# Altium PCB BC1-1A-BASIS.PcbDoc (continued)
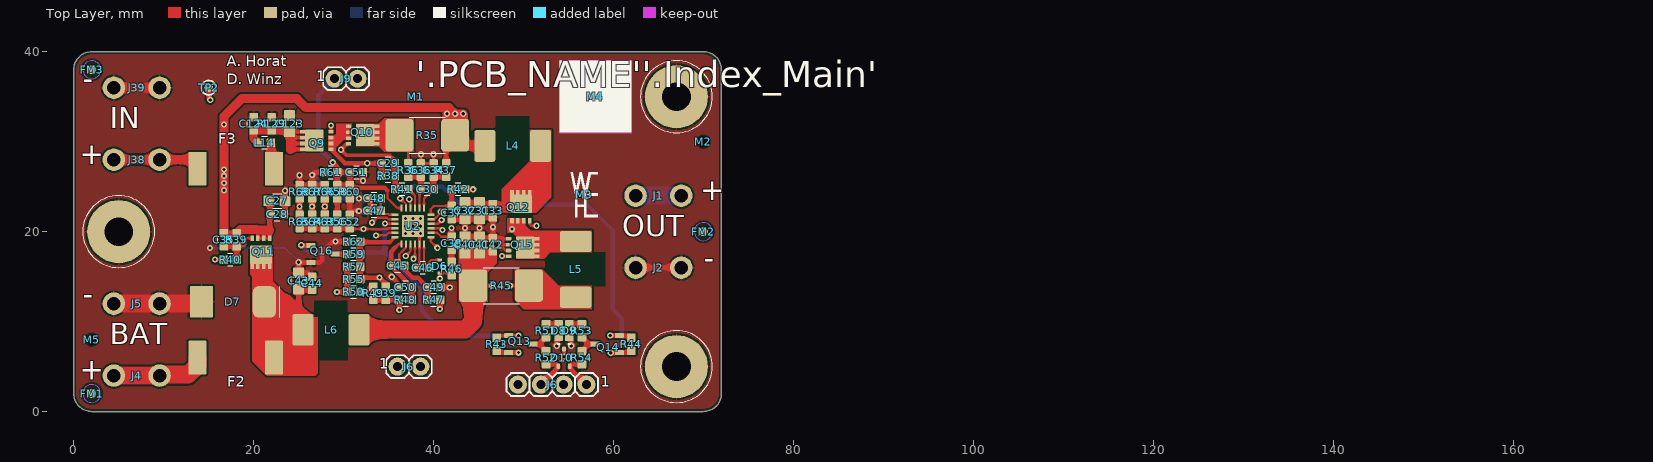
[diagram p0: Top Layer view]
## Footprints (in the part's own frame and the unit in brackets; to place one, negate y for a bottom-side part, rotate by r counter-clockwise, add the part's x,y. Pads: shape width x height; smd on the part's side, far side on the other; paste and mask are expansions set on the pad) (continued)

## Part data
C27 C31 C32 C43 C123: "CAP SM 0805 10uF 50V X5R", Absolute Value=1E-5, JLC Type=Basic, Manufacturer=GENERIC, Manufacturer 1="Murata Electronics", Manufacturer Part Number 1=GRM21BR61H106KE43K, Manufacturer Part Number 3=GRM21BR61H106KE43L, Package=0805, Supplier Part Number 1=490-GRM21BR61H106KE43KCT-ND, Eurocircuits GPN=GPN0805106-50-X5R, HelpURL=https://search.murata.co.jp/Ceramy/image/img/A01X/G101/ENG/GRM21BR61H106KE43-01A.pdf, Part Number=10U/0805/50V/X5R, Supplier 1=Digi-Key, Supplier 3=LCSC, Supplier Part Number 3=C440198
C28 C29 C30 C33 C34 C35 C36 C42 C44 C45 C47 C49 C50 C124: "CAP SM 0603 100nF 50V X7R", Absolute Value=1E-7, JLC Type=Basic, Manufacturer=GENERIC, Manufacturer 1=YAGEO, Manufacturer Part Number 1=CC0603KPX7R9BB104, Manufacturer Part Number 2=CC0603MRX7R9BB104, Package=0603, Supplier Part Number 1=311-3567-1-ND, Eurocircuits GPN=GPC0603104, HelpURL=https://www.yageo.com/upload/media/product/app/datasheet/mlcc/upy-gphc_x7r_6_3v-to-250v.pdf, Manufacturer 2=YAGEO, Part Number=100N/0603/50V/X7R, Supplier 1=Digi-Key, Supplier 2=Digi-Key, Supplier 3=LCSC, Supplier Part Number 2=311-4110-1-ND, Supplier Part Number 3=C14663
C37 C38 C46 C52: "CAP SM 0603 1.0uF 50V X7R", Absolute Value=1E-6, Manufacturer=GENERIC, Manufacturer 1=YAGEO, Manufacturer Part Number 1=CC0603KRX7R9BB105, Package=0603, Supplier Part Number 1=311-2082-1-ND, Eurocircuits GPN=GPC0603105, HelpURL=https://www.yageo.com/upload/media/product/app/datasheet/mlcc/upy-gphc_x7r_6_3v-to-250v.pdf, Part Number=1.0U/0603/50V/X7R, Supplier 1=Digi-Key
C39 C51: "CAP SM 0603 10pF 50V C0G", Absolute Value=1E-11, Manufacturer=GENERIC, Manufacturer 1=YAGEO, Manufacturer Part Number 1=CC0603JRNPO9BN100, Manufacturer Part Number 2=CC0603KRNPO9BN100, Package=0603, Supplier Part Number 1=311-1058-1-ND, Eurocircuits GPN=GPC0603100-C0G, HelpURL=https://www.yageo.com/upload/media/product/productsearch/datasheet/mlcc/UPY-GP_NP0_16V-to-50V_18.pdf, Manufacturer 2=YAGEO, Part Number=10P/0603/50V/C0G, Supplier 1=Digi-Key, Supplier 2=Digi-Key, Supplier Part Number 2=311-4025-1-ND
C40 C41: "CAP SM 0805 22uF 25V X5R", Absolute Value=2.2E-5, JLC Type=Basic, Manufacturer=GENERIC, Manufacturer 1="Samsung Electro-Mechanics", Manufacturer Part Number 1=CL21A226MAYNNNE, Manufacturer Part Number 3=CL21A226MAQNNNE, Package=0805, Supplier Part Number 1=1276-CL21A226MAYNNNECT-ND, Eurocircuits GPN=GPN0805106-25, HelpURL=https://mm.digikey.com/Volume0/opasdata/d220001/medias/docus/339/CL21A226MAYNNNE_Spec.pdf, Part Number=22U/0805/25V/X5R, Supplier 1=Digi-Key, Supplier 3=LCSC, Supplier Part Number 3=C45783
C48: "CAP SM 0603 10nF 50V C0G", Absolute Value=1E-8, Manufacturer=GENERIC, Manufacturer 1=YAGEO, Manufacturer Part Number 1=CC0603JRNPO9BN103, Package=0603, Supplier Part Number 1=311-3960-1-ND, Eurocircuits GPN=GPC0603103-C0G, HelpURL=https://www.yageo.com/upload/media/product/productsearch/datasheet/mlcc/UPY-GP_NP0_16V-to-50V_18.pdf, Part Number=10N/0603/50V/C0G, Supplier 1=Digi-Key
D6: "Small Signal Schottky Diode", Absolute Value=70V, JLC Type=Extended, Manufacturer=Vishay, Manufacturer 1="Vishay General Semiconductor - Diodes Division", Manufacturer 3="Vishay Intertech", Package=SOD523, Supplier Part Number 1=112-BAS70-02V-G3-08CT-ND, HelpURL=https://www.vishay.com/docs/85652/bas70-02v.pdf, Manufacturer Part Number 1=BAS70-02V-G3-08, Manufacturer Part Number 3=BAS70-02V-G3-08, Part Number=BAS70-02V-G3-08, Supplier 1=Digikey, Supplier 3=LCSC, Supplier Part Number 3=C3313114
D7: "TVS DIODE 15VWM 24.4V DO214 TR13", Absolute Value=15V, Manufacturer="Littelfuse Inc.", Manufacturer Part Number 1=5.0SMDJ15CAS, Package="DO-214AB, SMC", Supplier Part Number 1=18-5.0SMDJ15CASCT-ND, HelpURL=https://m.littelfuse.com/~/media/electronics/datasheets/tvs_diodes/littelfuse_tvs_diode_5_0smdjxxs_datasheet.pdf.pdf, Manufacturer 1="Littelfuse Inc.", Manufacturer 2="Littelfuse Inc.", Manufacturer Part Number 2=5.0SMDJ15CA, Part Number=5.0SMDJ15CA, Supplier 1=Digikey, Supplier 2=Digikey, Supplier Part Number 2=5.0SMDJ15CACT-ND
D8: library part "LED Green 0603", "Generic LED Green 0603", Absolute Value=Green, JLC Type=Basic, Manufacturer=GENERIC, Manufacturer 1=Würth, Manufacturer 3="Everlight Elec", Manufacturer Part Number 1=150060VS75000, Manufacturer Part Number 3=19-217/GHC-YR1S2/3T, Package=603, Supplier Part Number 1=732-4980-1-ND, HelpURL=https://www.we-online.com/katalog/datasheet/150060VS75000.pdf, Part Number="LED Green 0603", Supplier 1=Digikey, Supplier 3=LCSC, Supplier Part Number 3=C72043
D9: library part "LED Red 0603", "Generic LED Red 0603", Absolute Value=Red, JLC Type=Basic, Manufacturer=GENERIC, Manufacturer 1=Würth, Manufacturer 3="Hubei KENTO Elec", Manufacturer Part Number 1=150060RS75000, Manufacturer Part Number 3=KT-0603R, Package=603, Supplier Part Number 1=732-4978-1-ND, HelpURL=https://www.we-online.com/katalog/datasheet/150060RS75000.pdf, Part Number="LED Red 0603", Supplier 1=Digikey, Supplier 3=LCSC, Supplier Part Number 3=C2286
D10: "CAN bus ESD protection diode", Absolute Value=24V, Manufacturer="Nexperia USA Inc.", Manufacturer 3=Nexperia, Package=SOT323, Supplier Part Number 1=1727-1306-1-ND, HelpURL=https://assets.nexperia.com/documents/data-sheet/PESD1CAN-U.pdf, Manufacturer 1="Nexperia USA Inc.", Manufacturer Part Number 1=PESD1CAN-UX, Manufacturer Part Number 3=PESD1CAN-UX, Part Number=PESD1CAN-UX, Supplier 1=Digikey, Supplier 3=LCSC, Supplier Part Number 3=C152727
F2: "Fuse 250VAC 6.3A UMT250", Absolute Value=6.3, Manufacturer=Schurter, Manufacturer Part Number 1=3403.0174.24, Package=UMT250, Supplier Part Number 1=486-3484-1-ND, HelpURL=https://www.schurter.com/en/datasheet/typ_UMT_250.pdf, Manufacturer 1=Schurter, Part Number=6.3A/UMT250/FUSE, Supplier 1=Digi-Key
F3: "Fuse 250VAC 3.15A UMT250", Absolute Value=3.15, Manufacturer=Schurter, Manufacturer Part Number 1=3403.0171.24, Package=UMT250, Supplier Part Number 1=486-3482-1-ND, HelpURL=https://www.schurter.com/en/datasheet/typ_UMT_250.pdf, Manufacturer 1=Schurter, Part Number=3.15A/UMT250/FUSE, Supplier 1=Digi-Key
FM1 FM2 FM3 FM4 FM5 FM6: "Fiducial 1mm", Manufacturer=NONE, Part Number=Fidu_1mm
J1 J2 J4 J5 J38 J39: library part Tab_025_THT, "CONN QC TAB 0.250 SOLDER", Manufacturer=GENERIC, Manufacturer 1="TE Connectivity AMP Connectors", Manufacturer 3="TE Connectivity", Manufacturer Part Number 1=1217861-1, Supplier Part Number 1=A100452CT-ND, HelpURL=https://www.te.com/usa-en/product-1217861-1.datasheet.pdf, Manufacturer Part Number 3=1217861-1, Part Number=Tab_025_THT, Supplier 1=Digi-Key, Supplier 3=LCSC, Supplier Part Number 3=C428480
J6 J9: "Header 100 mil 1x2", Manufacturer=GENERIC, Part Number=Header_1x2
J6: "Header 100 mil 1x4", Manufacturer=GENERIC, Part Number=Header_1x4
L4 L6: "FIXED IND 470NH 16.5 A 5.5 MOHM SMD", Absolute Value=4.7E-7, Manufacturer=GENERIC, Manufacturer 1="Pulse Electronics", Manufacturer Part Number 1=BMRA00060630R47MA1, Package=6030, Supplier Part Number 1=553-BMRA00060630R47MA1CT-ND, HelpURL=https://productfinder.pulseelectronics.com/api/open/part-attachments/datasheet/BMRA00060630R47MA1, Part Number=470NH/6630, Supplier 1=Digi-Key
L5: "FIXED IND 22UH     3 A 145 MOHM SMD", Absolute Value=2.2E-5, Manufacturer=GENERIC, Manufacturer 1="Pulse Electronics", Manufacturer Part Number 1=BMRA00060630220MA1, Package=6030, Supplier Part Number 1=553-BMRA00060630220MA1CT-ND, HelpURL=https://productfinder.pulseelectronics.com/api/open/part-attachments/datasheet/BMRA00060630220MA1, Part Number=22UH/6630, Supplier 1=Digi-Key
L14: "30R@100MHz 5A 0603 Ferrite", Absolute Value=1000, Manufacturer=GENERIC, Manufacturer 1="Laird-Signal Integrity Products", Manufacturer Part Number 1=HI0603R300R-10, Package=603, Supplier Part Number 1=240-HI0603R300R-10CT-ND, HelpURL=https://www.laird.com/document/datasheet/hi0603r300r-10-datasheet, Part Number=30R/0603/FERRITE, Supplier 1=Digi-Key
M1: library part "PCB NAME 5mm L", "PCB name, 5mm text height, left-aligned", Manufacturer=NONE, Part Number="PCB NAME 5mm L"
M2 M5: "Tooling hole for JLC (1.152mm)", Manufacturer=NONE, Part Number="Tooling JLC"
M3: library part "LOGO WHE 5MM", "WHE logo, size 5mm", Manufacturer=NONE, Part Number="LOGO WHE 5MM"
M4: library part "SERIAL 2D 8MM RESTRICT", "2D Serial number placeholder, Dotmatrix or QR, size: 8mm, restriction on top layer", Manufacturer=NONE, Part Number="SERIAL 2D 8MM RESTRICT"
Q9 Q10 Q11: "40V 35A P-Channel MOSFET", Manufacturer="Micro Commercial Co", Manufacturer Part Number 1=353-MCG35P04-TPCT-ND, Package=8-PowerVDFN, HelpURL=https://www.mccsemi.com/pdf/Products/MCG35P04(DFN3333).pdf, Manufacturer 1="Micro Commercial Co", Part Number=MCG35P04-TP, Supplier 1=Digi-Key, Supplier Part Number 1=353-MCG35P04-TPCT-ND
Q12 Q15: "N-Kanal 100 V 35 A (Tc) 52W (Tc) Oberflächenmontage 8-PPAK (3,1x3,05)", Manufacturer="Good-Ark Semiconductor", Package=8-PowerVDFN, Supplier Part Number 1=4786-GSFN1036CT-ND, HelpURL=https://goodarksemi.com/docs/datasheets/mosfets/GSFN1036.pdf, Manufacturer 1="Good-Ark Semiconductor", Manufacturer Part Number 1=GSFN1036, Part Number=GSFN1036, Supplier 1=Digi-Key
Q13 Q14: "50V P-Channel MOSFET", JLC Type=Extended, Manufacturer=GENERIC, Manufacturer 1="Good-Ark Semiconductor", Manufacturer 3="Jiangsu Changjing Electronics Technology Co., Ltd.", Package=SOT23, Supplier Part Number 1=4786-BSS84CT-ND, HelpURL=https://goodarksemi.com/docs/datasheets/mosfets/BSS84.pdf, Manufacturer Part Number 1=BSS84, Manufacturer Part Number 3=BSS84, Part Number=BSS84, Supplier 1=Digi-Key, Supplier 3=LCSC, Supplier Part Number 3=C114481
Q16: "60V 115mA 1.2Ω@10V,500mA 200mW 2.1V@250uA N Channel SOT-23 MOSFETs", JLC Type=Extended, Manufacturer=GENERIC, Manufacturer 1="Nexperia USA Inc.", Manufacturer 3=JSMSEMI, Manufacturer Part Number 1=2N7002NXAKR, Package=SOT23, Supplier Part Number 1=1727-8643-1-ND, HelpURL=https://assets.nexperia.com/documents/data-sheet/2N7002NXAK.pdf, Manufacturer Part Number 3=JSMSEMI, Part Number=2N7002, Supplier 1=Digi-Key, Supplier 3=LCSC, Supplier Part Number 3=C916396
R35 R45: "RES SM 2512 0R025", Absolute Value=0.025, Manufacturer=GENERIC, Manufacturer 1=Ohmite, Manufacturer Part Number 1=MCS3264R025FER, Package=2512, Supplier Part Number 1=MCS3264R025FERCT-ND, HelpURL=https://www.ohmite.com/assets/docs/res_mcs.pdf?r=false, Part Number=0R025/2512, Supplier 1=Digi-Key
R36 R37 R47 R48 R52 R54: "RES SM 0603 0R", Absolute Value=0, JLC Type=Basic, Manufacturer=GENERIC, Manufacturer 1=YAGEO, Manufacturer 3="UNI-ROYAL(Uniroyal Elec)", Manufacturer Part Number 1=RC0603FR-070RL, Manufacturer Part Number 2=RC0603FR-130RL, Manufacturer Part Number 3=0603WAF0000T5E, Package=0603, Supplier Part Number 1=311-0.0HRCT-ND, Eurocircuits GPN=GPR06030R, HelpURL=https://www.yageo.com/upload/media/product/app/datasheet/rchip/pyu-rc_group_51_rohs_l.pdf, Manufacturer 2=YAGEO, Part Number=0R/0603, Supplier 1=Digi-Key, Supplier 2=Digi-Key, Supplier 3=LCSC, Supplier Part Number 2=13-RC0603FR-130RLCT-ND, Supplier Part Number 3=C21189
R38 R39 R43 R44: "RES SM 0603 100K", Absolute Value=100000, JLC Type=Basic, Manufacturer=GENERIC, Manufacturer 1=YAGEO, Manufacturer 3="UNI-ROYAL(Uniroyal Elec)", Manufacturer Part Number 1=RC0603FR-13100KL, Manufacturer Part Number 2=RC0603FR-10100KL, Manufacturer Part Number 3=0603WAF1003T5E, Package=0603, Supplier Part Number 1=13-RC0603FR-13100KLCT-ND, Eurocircuits GPN=GPR0603100K, HelpURL=https://www.yageo.com/upload/media/product/productsearch/datasheet/rchip/PYu-RC_Group_51_RoHS_L_12.pdf, Manufacturer 2=YAGEO, Part Number=100K/0603, Supplier 1=Digi-Key, Supplier 2=Digi-Key, Supplier 3=LCSC, Supplier Part Number 2=13-RC0603FR-10100KLCT-ND, Supplier Part Number 3=C25803
R40 R41: "RES SM 0603 1K", Absolute Value=1000, JLC Type=Basic, Manufacturer=GENERIC, Manufacturer 1=YAGEO, Manufacturer 3="UNI-ROYAL(Uniroyal Elec)", Manufacturer Part Number 1=RC0603FR-131KL, Manufacturer Part Number 2=RC0603FR-101KL, Manufacturer Part Number 3=0603WAF1001T5E, Package=0603, Supplier Part Number 1=13-RC0603FR-131KLCT-ND, Eurocircuits GPN=GPR06031K, HelpURL=https://www.yageo.com/upload/media/product/app/datasheet/rchip/pyu-rc_group_51_rohs_l.pdf, Manufacturer 2=YAGEO, Part Number=1K/0603, Supplier 1=Digi-Key, Supplier 2=Digi-Key, Supplier 3=LCSC, Supplier Part Number 2=13-RC0603FR-101KLCT-ND, Supplier Part Number 3=C21190
R42 R46: "RES SM 0603 10R", Absolute Value=10, Manufacturer=GENERIC, Manufacturer 1=YAGEO, Manufacturer Part Number 1=RC0603FR-1310RL, Manufacturer Part Number 2=RC0603FR-1010RL, Package=0603, Supplier Part Number 1=13-RC0603FR-1310RLCT-ND, Eurocircuits GPN=GPR060310R, HelpURL=https://www.yageo.com/upload/media/product/app/datasheet/rchip/pyu-rc_group_51_rohs_l.pdf, Manufacturer 2=YAGEO, Part Number=10R/0603, Supplier 1=Digi-Key, Supplier 2=Digi-Key, Supplier Part Number 2=13-RC0603FR-1010RLCT-ND
R49: "RES SM 0603 51K", Absolute Value=51000, JLC Type=Basic, Manufacturer=GENERIC, Manufacturer 1=YAGEO, Manufacturer Part Number 1=RC0603FR-1351KL, Manufacturer Part Number 2=RC0603FR-1051KL, Package=0603, Supplier Part Number 1=13-RC0603FR-1351KLCT-ND, Eurocircuits GPN=GPR060351K, HelpURL=https://www.yageo.com/upload/media/product/app/datasheet/rchip/pyu-rc_group_51_rohs_l.pdf, Manufacturer 2=YAGEO, Part Number=51K/0603, Supplier 1=Digi-Key, Supplier 2=Digi-Key, Supplier 3=LCSC, Supplier Part Number 2=13-RC0603FR-1051KLCT-ND, Supplier Part Number 3=C2933234
R50: "RES SM 0603 680K", Absolute Value=680000, Manufacturer=GENERIC, Manufacturer 1=YAGEO, Manufacturer Part Number 1=RC0603FR-13680KL, Manufacturer Part Number 2=RC0603FR-07680KL, Package=0603, Supplier Part Number 1=13-RC0603FR-13680KLCT-ND, Eurocircuits GPN=GPR0603680K, HelpURL=https://www.yageo.com/upload/media/product/app/datasheet/rchip/pyu-rc_group_51_rohs_l.pdf, Manufacturer 2=YAGEO, Part Number=680K/0603, Supplier 1=Digi-Key, Supplier 2=Digi-Key, Supplier Part Number 2=311-680KHRCT-ND
R51 R53 R67: "RES SM 0603 2K2", Absolute Value=2200, Manufacturer=GENERIC, Manufacturer 1=YAGEO, Manufacturer Part Number 1=RC0603FR-132K2L, Manufacturer Part Number 2=RC0603FR-102K2L, Manufacturer Part Number 3=RC0603JR-072K2L, Package=0603, Supplier Part Number 1=13-RC0603FR-132K2LCT-ND, Eurocircuits GPN=GPR06032K2, HelpURL=https://www.yageo.com/upload/media/product/app/datasheet/rchip/pyu-rc_group_51_rohs_l.pdf, Manufacturer 2=YAGEO, Manufacturer 3=YAGEO, Part Number=2K2/0603, Supplier 1=Digi-Key, Supplier 2=Digi-Key, Supplier 3=LCSC, Supplier Part Number 2=13-RC0603FR-102K2LCT-ND, Supplier Part Number 3=C113303
R55 R60: "RES NTC SM 0603 100k 4700K", Absolute Value=100000, Manufacturer=GENERIC, Manufacturer 1="Panasonic Electronic Components", Manufacturer Part Number 1=ERT-J1VV104F, Package=0603, Supplier Part Number 1=P124047CT-ND, HelpURL=https://industrial.panasonic.com/cdbs/www-data/pdf/AUA0000/AUA0000C8.pdf, Part Number=100K/0603/NTC/4700K, Supplier 1=Digi-Key
R56: "RES SM 0603 47K", Absolute Value=47000, JLC Type=Basic, Manufacturer=GENERIC, Manufacturer 1=YAGEO, Manufacturer 3="UNI-ROYAL(Uniroyal Elec)", Manufacturer Part Number 1=RC0603FR-1347KL, Manufacturer Part Number 2=RC0603FR-1047KL, Manufacturer Part Number 3=0603WAF4702T5E, Package=0603, Supplier Part Number 1=13-RC0603FR-1347KLCT-ND, Eurocircuits GPN=GPR060347K, HelpURL=https://www.yageo.com/upload/media/product/app/datasheet/rchip/pyu-rc_group_51_rohs_l.pdf, Manufacturer 2=YAGEO, Part Number=47K/0603, Supplier 1=Digi-Key, Supplier 2=Digi-Key, Supplier 3=LCSC, Supplier Part Number 2=13-RC0603FR-1047KLCT-ND, Supplier Part Number 3=C25819
R57: "RES SM 0603 110K", Absolute Value=110000, Manufacturer=GENERIC, Manufacturer 1=YAGEO, Manufacturer Part Number 1=RC0603FR-13110KL, Manufacturer Part Number 2=RC0603FR-07110KL, Package=0603, Supplier Part Number 1=13-RC0603FR-13110KLCT-ND, Eurocircuits GPN=GPR0603110K, HelpURL=https://www.yageo.com/upload/media/product/productsearch/datasheet/rchip/PYu-RC_Group_51_RoHS_L_12.pdf, Manufacturer 2=YAGEO, Part Number=110K/0603, Supplier 1=Digi-Key, Supplier 2=Digi-Key, Supplier Part Number 2=311-110KHRCT-ND
R58: "RES SM 0603 20K", Absolute Value=20000, Manufacturer=GENERIC, Manufacturer 1=YAGEO, Manufacturer Part Number 1=RC0603FR-1320KL, Manufacturer Part Number 2=RC0603FR-1020KL, Package=0603, Supplier Part Number 1=13-RC0603FR-1320KLCT-ND, Eurocircuits GPN=GPR060320K, HelpURL=https://www.yageo.com/upload/media/product/app/datasheet/rchip/pyu-rc_group_51_rohs_l.pdf, Manufacturer 2=YAGEO, Part Number=20K/0603, Supplier 1=Digi-Key, Supplier 2=Digi-Key, Supplier Part Number 2=13-RC0603FR-1020KLCT-ND
R59: "RES SM 0603 3M3", Absolute Value=3300000, Manufacturer=GENERIC, Manufacturer 1=YAGEO, Manufacturer Part Number 1=RC0603FR-073M3L, Package=0603, Supplier Part Number 1=13-RC0603FR-073M3LCT-ND, Eurocircuits GPN=GPR06033M3, HelpURL=https://www.yageo.com/upload/media/product/app/datasheet/rchip/pyu-rc_group_51_rohs_l.pdf, Part Number=3M3/0603, Supplier 1=Digi-Key
R61 R62: "RES SM 0603 150K", Absolute Value=150000, JLC Type=Basic, Manufacturer=GENERIC, Manufacturer 1=YAGEO, Manufacturer 3="UNI-ROYAL(Uniroyal Elec)", Manufacturer Part Number 1=RC0603FR-13150KL, Manufacturer Part Number 2=RC0603FR-10150KL, Manufacturer Part Number 3=0603WAF1503T5E, Package=0603, Supplier Part Number 1=13-RC0603FR-13150KLCT-ND, Eurocircuits GPN=GPR0603150K, HelpURL=https://www.yageo.com/upload/media/product/app/datasheet/rchip/pyu-rc_group_51_rohs_l.pdf, Manufacturer 2=YAGEO, Part Number=150K/0603, Supplier 1=Digi-Key, Supplier 2=Digi-Key, Supplier 3=LCSC, Supplier Part Number 2=13-RC0603FR-10150KLCT-ND, Supplier Part Number 3=C22807
R63: "RES SM 0603 75K", Absolute Value=75000, JLC Type=Basic, Manufacturer=GENERIC, Manufacturer 1=YAGEO, Manufacturer Part Number 1=RC0603FR-1375KL, Manufacturer Part Number 2=RC0603FR-1075KL, Manufacturer Part Number 3=RC0603FR-0775KL, Package=0603, Supplier Part Number 1=13-RC0603FR-1375KLCT-ND, Eurocircuits GPN=GPR060375K, HelpURL=https://www.yageo.com/upload/media/product/app/datasheet/rchip/pyu-rc_group_51_rohs_l.pdf, Manufacturer 2=YAGEO, Manufacturer 3=YAGEO, Part Number=75K/0603, Supplier 1=Digi-Key, Supplier 2=Digi-Key, Supplier 3=LCSC, Supplier Part Number 2=13-RC0603FR-1075KLCT-ND, Supplier Part Number 3=C114636
R64: "RES SM 0603 16K", Absolute Value=16000, Manufacturer=GENERIC, Manufacturer 1=YAGEO, Manufacturer Part Number 1=RC0603FR-1316KL, Manufacturer Part Number 2=RC0603FR-1016KL, Package=0603, Supplier Part Number 1=13-RC0603FR-1316KLCT-ND, Eurocircuits GPN=GPR060316K, HelpURL=https://www.yageo.com/upload/media/product/productsearch/datasheet/rchip/PYu-RC_Group_51_RoHS_L_12.pdf, Manufacturer 2=YAGEO, Part Number=16K/0603, Supplier 1=Digi-Key, Supplier 2=Digi-Key, Supplier Part Number 2=13-RC0603FR-1016KLCT-ND
R65: "RES SM 0603 62K", Absolute Value=62000, Manufacturer=GENERIC, Manufacturer 1=YAGEO, Manufacturer Part Number 1=RC0603FR-1362KL, Manufacturer Part Number 2=RC0603FR-1062KL, Package=0603, Supplier Part Number 1=13-RC0603FR-1362KLCT-ND, Eurocircuits GPN=GPR060362K, HelpURL=https://www.yageo.com/upload/media/product/productsearch/datasheet/rchip/PYu-RC_Group_51_RoHS_L_12.pdf, Manufacturer 2=YAGEO, Part Number=62K/0603, Supplier 1=Digi-Key, Supplier 2=Digi-Key, Supplier Part Number 2=13-RC0603FR-1062KLCT-ND
R66: "RES SM 0603 24K", Absolute Value=24000, Manufacturer=GENERIC, Manufacturer 1=YAGEO, Manufacturer Part Number 1=RC0603FR-1324KL, Manufacturer Part Number 2=RC0603FR-1024KL, Package=0603, Supplier Part Number 1=13-RC0603FR-1324KLCT-ND, Eurocircuits GPN=GPR060324K, HelpURL=https://www.yageo.com/upload/media/product/app/datasheet/rchip/pyu-rc_group_51_rohs_l.pdf, Manufacturer 2=YAGEO, Part Number=24K/0603, Supplier 1=Digi-Key, Supplier 2=Digi-Key, Supplier Part Number 2=13-RC0603FR-1024KLCT-ND
R68: "RES SM 0603 27K", Absolute Value=27000, Manufacturer=GENERIC, Manufacturer 1=YAGEO, Manufacturer Part Number 1=RC0603FR-1327KL, Manufacturer Part Number 2=RC0603FR-1027KL, Manufacturer Part Number 3=RC0603FR-0727KL, Package=0603, Supplier Part Number 1=13-RC0603FR-1327KLCT-ND, Eurocircuits GPN=GPR060327K, HelpURL=https://www.yageo.com/upload/media/product/app/datasheet/rchip/pyu-rc_group_51_rohs_l.pdf, Manufacturer 2=YAGEO, Manufacturer 3=YAGEO, Part Number=27K/0603, Supplier 1=Digi-Key, Supplier 2=Digi-Key, Supplier 3=LCSC, Supplier Part Number 2=13-RC0603FR-1027KLCT-ND, Supplier Part Number 3=C114614
R129: "RES SM 0603 1M", Absolute Value=1000000, JLC Type=Basic, Manufacturer=GENERIC, Manufacturer 1=YAGEO, Manufacturer 3="UNI-ROYAL(Uniroyal Elec)", Manufacturer Part Number 1=RC0603FR-131ML, Manufacturer Part Number 2=RC0603FR-101ML, Manufacturer Part Number 3=0603WAF1004T5E, Package=0603, Supplier Part Number 1=13-RC0603FR-131MLCT-ND, Eurocircuits GPN=GPR06031M, HelpURL=https://www.yageo.com/upload/media/product/app/datasheet/rchip/pyu-rc_group_51_rohs_l.pdf, Manufacturer 2=YAGEO, Part Number=1M/0603, Supplier 1=Digi-Key, Supplier 2=Digi-Key, Supplier 3=C22935, Supplier Part Number 2=13-RC0603FR-101MLCT-ND, Supplier Part Number 3=LCSC
TP2: "SMD Test Point 1mm", Manufacturer=NONE, Part Number=TP_SMD_1
U2: "BQ2461x Stand-Alone 1- to 6-Cell Synchronous Buck Battery Charger Controller", Manufacturer="Texas Instruments", Manufacturer Part Number 1=BQ24610RGER, Package=QFN-24, Supplier Part Number 1=296-29437-1-ND, HelpURL=https://www.ti.com/lit/ds/symlink/bq24610.pdf, Manufacturer 1="Texas Instruments", Manufacturer 3="Texas Instruments", Manufacturer Part Number 3=BQ24610RGER, Part Number=BQ24610, Supplier 1=Digi-Key, Supplier 3=LCSC, Supplier Part Number 3=C19384

## Free pads (board coordinates)
  round 7 hole 3.2: 3(5,20) 3(67,5) 3(67,35)

## Via types
v1: diameter 0.7, hole 0.35, Top Layer to Bottom Layer, tented both sides, 65 vias
v2: diameter 0.7, hole 0.35, Top Layer to Bottom Layer, 9 vias

## Nets (pads, with @x,y where several pads share a name; then routed paths per layer and width w, separated by ;. In a path a pad name is that pad's centre, name@x,y a point inside that pad or via, vN(x,y) a via of type N, cw(c..) or ccw(c..) an arc to the next point about the centre after c; other vN are vias at no path point)
+3V3_CHG_VREF: C52.1 R56.1 R63.1 R64.1 R65.1 U2.4 U2.10 | length 18.4
  Top Layer w0.25: C52.1 30.802,20.3 33.028,20.3 33.051,20.277 34.34,20.277 34.342,20.275 34.86,20.275 34.962,20.377 U2.10 ; v1(37.301,23.6) 37.45,23.451 U2.4
  Top Layer w0.5: R65.1 R64.1 R63.1 R56.1 C52.1
  Mid 2 (PWR) w0.25: v1(32.201,20.3) 32.276,20.375 33.126,20.375 33.41,20.375 33.776,20.741 33.776,21.025 34.651,21.9 35.601,21.9 v1(37.301,23.6)
ACSET: R65.2 R68.1 U2.16 | length 18.9
  Top Layer w0.25: v1(37.761,16.975) 37.761,17 37.801,17 37.95,17.149 U2.16
  Top Layer w0.5: R65.2 v1(25.101,22.8) R68.1
  Mid 2 (PWR) w0.25: v1(25.101,22.8) 25.901,22 27.134,22 31.234,17.9 35.417,17.9 36.642,16.675 37.16,16.675 37.385,16.9 37.564,16.9 37.639,16.975 v1(37.761,16.975)
BAT+: F2.2 J4.1 | length 15.8
  Top Layer w2: J4.1@4.46,4 J4.1@9.675,4 ; J4.1@9.54,4 J4.1@9.675,4 ; F2.2 13.75,5.125 12.721,4.096 9.771,4.096 J4.1@9.675,4
  Bottom Layer w2: J4.1@4.46,4 J4.1@9.54,4
GND_BAT: C27.2 C28.2 C31.2 C32.2 C33.2 C34.2 C36.2 C37.1 C40.2 C41.2 C42.2 C43.2 C44.2 C46.1 C47.2 C48.2 C49.2 C50.2 C51.2 C52.2 C123.2 C124.2 D7.2 D8.1 D9.1 D10.3 J2.1 J5.1 J6.2@54.46,3 J6.4 J9.2 J39.1 pad.3 Q15.1@48.34,19.202 Q15.2 Q15.3 Q16.2 R60.2 R61.2 R62.2 R66.2 R67.2 R68.2 R129.2 U2.17 U2.EP | length 196.4
  Top Layer w0.25: U2.EP 38.45,19.877 38.45,16.374 C46.1 ; v1@38.6,28.599 C36.2 C34.2 v1@40,28.599
  Top Layer w0.3: 47.6,19.252 47.6,19.202 ; Q15.3 47.998,17.902 47.6,18.3 47.6,18.552 ; Q15.2 47.6,18.552 ; Q15.1@48.34,19.202 47.6,19.202 ; 47.6,18.552 47.6,19.202
  Top Layer w0.4: v1(54.5,6.1) D10.3
  Top Layer w0.5: C28.2 23.5,22.102 v1(23.499,24.55) ; v1@25.101,26.274 R68.2 R67.2@26.476,25.152 ; C44.2 26.05,15.427 C43.2 v1(25,16.6) 25.023,16.577 Q16.2 27.378,16.577 27.601,16.8 27.601,17.7 28.801,18.9 v1(29.101,18.9) R62.2 ; R67.2 v1@26.501,26.299 ; v1(26.5,26.3) 26.8,26.6 R61.2 ; R67.2@26.526,25.152 R66.2 ; R60.2 C52.2 31.148,22.3 v1(31.7,22.3) C47.2 33,22.624 33,23.376 C48.2 v1(31.701,23.7) ; v1(32.15,25.65) C51.2 ; v1(35.35,14.975) 36.15,14.175 C50.2 ; C49.2 41.773,13.827 v1(41.8,13.8) ; C37.1 C32.2@43.5,21.402 ; C31.2 45.275,21.602 C33.2 v1(46.6,20.5) C42.2 ; 47.6,19.252 C42.2 ; v1(53.7,7.3) 53.7,8.038 D8.1 ; D9.1 55.3,8.038 v1(55.3,7.3) ; J2.1@62.189,16.271 J2.1@62.46,16 ; J2.1@62.192,15.732 J2.1@62.46,16 ; J2.1@67.54,16 J2.1@62.46,16 ; C32.2@43.5,21.402 45.1,21.402 C41.2 ; C32.2@43.5,21.402 C40.2 C41.2 ; C41.2 45.275,19.252 C42.2
  Top Layer w1: J39.1@4.433,36.027 4.46,36 J39.1@9.54,36
  Top Layer w2: J5.1@4.46,12 9.54,12 14,12 D7.2
  Mid 1 (GND) w0.25: v1(15.152,18.175) 15.227,18.1 15.877,18.1 16.002,17.975 23.726,17.975 ; 19.25,33 19.25,28.799 v1(23.499,24.55) 22.4,23.449 22.4,19.301 23.726,17.975 ; v1(26.5,26.3) 27.7,26.3 v1(31.7,22.3) ; v1(31.7,22.3) v1(31.701,23.7) 31.701,25.201 v1(32.15,25.65) ; v1(35.35,14.975) 35.225,14.975 35.2,15 35.2,18.099 v2(36.9,19.8) ; v2@37.701,21.4 v2@37.701,21.358 ; v1@38.501,28.6 v2@38.501,21.4 ; v1@38.601,28.7 38.701,28.6 v1(40.001,28.6) ; v1(41.8,13.8) 41.8,15.6 38.501,18.899 v2@38.501,19.8 ; v1(46.6,20.5) 43.385,20.5 41.06,22.825 40.542,22.825 40.517,22.8 39.901,22.8 v2@38.501,21.4 ; 23.726,17.975 25,16.701 v1(25,16.6) 27.3,18.9 v1(29.101,18.9) 29.101,19.701 v1(31.7,22.3) ; v1(31.7,22.3) 36.001,22.3 v2@36.943,21.358 ; v2(36.9,19.8) v2(36.9,20.6) ; v2(36.9,19.8) v2(37.701,19.8) ; v2(36.9,20.6) v2(37.701,20.6) ; v2(36.9,20.6) 36.901,21.316 v2@36.943,21.358 ; v2@36.943,21.358 v2@37.701,21.358 ; v2(37.701,19.8) v2(37.701,20.6) ; v2(37.701,19.8) v2@38.501,19.8 ; v2(37.701,20.6) v2@38.501,20.6 ; v2(37.701,20.6) v2@37.701,21.358 ; v2@37.701,21.358 38.459,21.358 v2@38.501,21.4 ; v2@38.501,19.8 v2@38.501,20.6 ; v2@38.501,20.6 v2@38.501,21.4
  Mid 1 (GND) w2: J2.1@62.46,16 J2.1@67.54,16
  Bottom Layer w0.25: v1(15.152,18.175) 23.526,18.175 25,16.701 v1(25,16.6)
  Bottom Layer w0.5: v1(26.5,26.3) 29.1,23.7 v1(31.701,23.7)
  other v1: 43.5,20.414 45.1,20.415 25.1,26.275 38.601,28.6
  other v2: 38.55,19.8 38.55,20.6 36.9,21.45 37.701,21.45 38.55,21.45
ISET1: R63.2 R66.1 U2.11 | length 11.1
  Top Layer w0.25: v1(33.601,19.574) 33.614,19.587 34.738,19.587 35.028,19.877 U2.11
  Top Layer w0.5: R63.2 v1(27.901,22.8) R66.1
  Mid 2 (PWR) w0.25: v1(27.901,22.8) 28.8,22.8 32.026,19.574 v1(33.601,19.574)
ISET2: R64.2 R67.1 U2.15 | length 16.1
  Top Layer w0.25: v1(36.901,17.3) 37.45,17.849 U2.15
  Top Layer w0.5: R64.2 v1(26.501,22.8) R67.1
  Mid 2 (PWR) w0.25: v1(26.501,22.8) 26.9,22.8 31.3,18.4 35.801,18.4 v1(36.901,17.3)
LED_GREEN: D10.1@53.85,5.05 J6.3 R52.2 | length 4.3
  Top Layer w0.5: J6.3 53.85,4.93 53.85,5.05 53.625,5.275 R52.2
LED_RED: D10.2 J6.1@57,3 R54.2 | length 4.3
  Top Layer w0.5: R54.2 55.375,5.275 D10.2 55.15,4.85 J6.1@57,3
NetC27_1: C27.1 C28.1 C35.1 J1.1 L4.1 Q11.1@21.775,19.287 Q11.2 Q11.3 R35.2 R37.1 R39.1 | length 133.5
  Top Layer w0.25: R39.1@18.513,19.825 R39.1 18.513,20.237 19.104,20.237 ; 19.43,20.151 20.475,20.151 ; Q11.3 Q11.2 Q11.1@21.775,19.287
  Top Layer w0.4: Q11.3 20.475,20.151 ; Q11.2 21.125,20.175 ; Q11.1@21.775,19.287 21.775,20.175
  Top Layer w0.5: C35.1 R39.1 ; C27.1 21.788,23.34 21.788,22.015 C28.1 21.775,21.827 21.775,20.175 ; R37.1 41.4,29.727 R35.2
  Top Layer w1: v1(16.7,26.9) v1(16.7,31.9) 16.7,32.8 18.7,34.8 24.8,34.8 25.8,33.8 41.7,33.8 v1(42.4,33.1) ; C35.1 v1@16.701,26.9 ; R39.1 18.513,20.237 19.104,20.237 20.283,20.237 ; 20.421,20.175 21.125,20.175 21.775,20.175 ; L4.1 43.6,29.527 R35.2 ; R35.2 41.5,31.627 v1(41.5,33.1) v1(42.4,33.1) ; R35.2 v1(42.4,33.1) ; R35.2 43.3,31.627 v1(43.3,33.1) v1(42.4,33.1)
  Mid 2 (PWR) w1: v1(16.7,24.6) v1(16.7,25.4) v1(16.7,26.2) v1(16.7,26.9)
  Mid 2 (PWR) w2: v1(16.7,26.9) 23.6,33.8 40.8,33.8 v1(41.5,33.1) v1(43.3,33.1) 44.7,34.5 51.96,34.5 J1.1@62.46,24
  Bottom Layer w2: J1.1@62.46,24 J1.1@67.54,24
NetC29_2: C29.2 Q9.4 Q10.4 R38.2 R41.1 | length 14.6
  Top Layer w0.25: Q9.4 v1(28.6,31.8)
  Top Layer w0.4: Q10.4 30.352,29.752 v1(29.706,29.106) 30.313,28.5 35.1,28.5 35.674,27.926 C29.2
  Top Layer w0.5: R38.2 C29.2 ; R41.1 R38.2@35.75,26.199
  Mid 2 (PWR) w0.5: v1(28.6,31.8) 28.6,30.213 v1(29.706,29.106)
NetC30_1: C30.1 C36.1 R36.2 U2.2 | length 5
  Top Layer w0.25: U2.2 C30.1@38.45,24.627
  Top Layer w0.5: R36.2 C36.1 38.6,24.777 C30.1 C30.1@38.45,24.627
NetC30_2: C30.2 C34.1 R37.2 U2.1@38.95,22.627 | length 5.3
  Top Layer w0.25: U2.1@38.95,22.627 38.95,23.677 C30.2
  Top Layer w0.5: C30.2 C34.1 R37.2
NetC31_1: C31.1 C32.1 C33.1 L4.2 Q12.5 | length 15.4
  Top Layer w0.25: C32.1 43.64,23.087 C31.1@45.24,23.087
  Top Layer w0.5: C32.1 C31.1 45.24,23.087 Q12.5@49.7,23.087
  Top Layer w1: Q12.5@49.7,23.087 49.7,24.352 51.9,26.552 L4.2
NetC35_2: C35.2 Q11.4 R39.2 R40.2 | length 5.3
  Top Layer w0.25: R40.2@18.113,16.913 R40.2 ; R39.2@18.113,18.362 R39.2 18.951,18.375 19.105,18.529 19.105,19.133 19.26,19.287 Q11.4
  Top Layer w0.5: C35.2 R39.2 ; R40.2@18.113,16.913 R39.2@18.113,18.362
NetC37_2: C37.2 R42.1 U2.24 | length 4.9
  Top Layer w0.25: U2.24 39.7,22.499 40.053,22.852 C37.2
  Top Layer w0.5: C37.2 R42.1
NetC38_1: C38.1 R46.2 | length 1.3
  Top Layer w0.5: R46.2 C38.1
NetC38_2: C38.2 L5.1 Q12.1@48.725,21.227 Q12.2 Q12.3 Q15.5 U2.20 | length 11
  Top Layer w0.25: U2.20 40.394,19.877 40.846,19.425 C38.2
  Top Layer w0.5: C38.2 v1@42,20.4
  Mid 2 (PWR) w0.5: v1(42,20.4) 42.9,21.3 47.701,21.3 v1(48.725,20.276)
NetC39_1: C39.1 C40.1 C41.1 C42.1 L6.2 R45.2 R48.1 R49.1 | length 45.8
  Top Layer w0.25: R48.1 R48.1@36.2,12.377 ; R45.2 v1(46.5,14)
  Top Layer w0.5: R49.1 C39.1 R48.1 ; v1(36.2,11.3) R48.1@36.2,12.377 ; C42.1 46.425,17.627 C41.1 ; C41.1 C40.1 43.5,14.901 R45.2 45.1,14.699 C41.1
  Top Layer w2: L6.2 43.501,9.1 44.401,10 R45.2
  Mid 2 (PWR) w0.5: v1(36.2,11.3) 36.2,11.5 37.5,12.8 45.3,12.8 v1(46.5,14)
NetC39_2: C39.2 J6.2@38.54,5 R55.2 R57.2 R59.1 R62.1 U2.12 | length 23.7
  Top Layer w0.25: 35.147,18.824 U2.12
  Top Layer w0.5: C39.2 34.7,14.2 v1(34,14.9) 32.026,14.9 R55.2 R57.2 R59.1 R62.1 31.902,18.824 35.147,18.824
  Mid 2 (PWR) w0.5: v1(34,14.9) 34,11.8 38.54,7.26 J6.2@38.54,5
NetC43_1: C43.1 C44.1 D7.1 F2.1 L6.1 Q11.5 | length 23.4
  Top Layer w0.25: C43.1@25.101,13.6 C43.1@25.174,13.527
  Top Layer w0.5: L6.1@25.501,9.999 25,10.5 C43.1 25.1,13.527 25.174,13.527 C44.1
  Top Layer w1: Q11.5@20.8,17.427 20.8,16.162 20.8,12.6 D7.1 D7.1@21.3,12.1
  Top Layer w2: F2.1 22.65,6.4 22.65,7.275 21.2,8.725 D7.1 23.3,12.2 L6.1@25,10.5 ; L6.1 L6.1@25.501,9.999
NetC46_2: C46.2 D6.2 U2.18 | length 4.8
  Top Layer w0.25: U2.18 38.95,16.576 C46.2 39.526,16.626 39.752,16.852 D6.2
NetC47_1: C47.1 C48.1 U2.7 | length 3.4
  Top Layer w0.25: U2.7 35.073,21.877 34.976,21.975 34.451,21.975 C47.1 C48.1@34.126,23.5 ; C48.1@34.126,23.5 C48.1 34.026,23.6 C48.1@34.126,23.5
NetC51_1: C51.1 J9.1 R58.2 R60.1 R61.1 U2.6 | length 25
  Top Layer w0.25: 34.875,24.234 34.875,24.574 ; 34.876,24.233 34.876,23.724 35.973,22.627 U2.6
  Top Layer w0.5: v1(28.8,27.7) 29.3,27.2 R61.1 ; 34.875,24.574 34.549,24.9 30.952,24.9 R60.1 ; R61.1 R58.2 R60.1 ; R61.1 C51.1 R60.1
  Bottom Layer w0.5: v1(28.8,27.7) 27.2,29.3 27.2,35.2 J9.1
NetC123_1: C123.1 C124.1 L14.2 Q9.5 R129.1 | length 20.1
  Top Layer w0.4: 24.1,29.152 25.475,29.152 26.552,29.152 26.74,29.34 Q9.5@26.74,30.127 ; 24.1,29.802 25.475,29.802 26.415,29.802 Q9.5@26.74,30.127 ; 24.1,30.452 25.475,30.452 26.415,30.452 Q9.5@26.74,30.127 ; C123.1@24.1,31.102 25.475,31.102 26.498,31.102 26.74,30.86 Q9.5@26.74,30.127
  Top Layer w0.9: L14.2 20,30.364 C124.1 R129.1 23.825,31.275 C123.1
  Top Layer w1: 24,30.452 C123.1 ; 24.1,29.152 24.1,29.802 24.1,30.452
NetD6_1: D6.1 R46.1 U2.22 | length 10.7
  Top Layer w0.25: U2.22 40.477,20.877 v1(40.9,21.3) ; v1@40.7,14.801 40.7,15.302 D6.1 41.773,15.402 R46.1 ; v1@40.701,14.8 v1(40.701,14.802)
  Mid 2 (PWR) w0.25: v1(40.701,14.802) 39.801,15.702 39.801,20.201 v1(40.9,21.3)
NetD8_2: D8.2 R51.2 | length 1.4
  Top Layer w0.5: R51.2 53.863,9.725 D8.2
NetD9_2: D9.2 R53.2 | length 1.4
  Top Layer w0.5: D9.2 55.137,9.725 R53.2
NetJ6_1: J6.1@36,5 R50.2 R55.1 R57.1 | length 15.9
  Top Layer w0.5: v1(29.253,13.299) R50.2 R57.1
  Mid 2 (PWR) w0.5: v1(29.253,13.299) 30.801,13.299 36,8.1 J6.1@36,5
NetL5_2: L5.2 R45.1 R47.1 | length 18.6
  Top Layer w0.25: v1(48.5,14) R45.1 50.601,13.65 52.051,12.2 52.051,12.1 55.201,12.1 L5.2
  Top Layer w0.5: v1(40.7,11.4) 40.725,11.425 R47.1
  Mid 2 (PWR) w0.5: v1(40.7,11.4) 46,11.4 48.5,13.9 v1(48.5,14)
NetQ10_5: Q10.5 R35.1 R36.1 | length 7.4
  Top Layer w0.25: R35.1 37.2,29.727 R36.1
  Top Layer w1: Q10.5@32.4,30.727 R35.1
NetQ12_4: Q12.4 U2.21 | length 13.9
  Top Layer w0.25: U2.21 40.824,20.377 41,20.201 v1(41,20.184) ; Q12.4 50.675,20.825 50.85,20.65 v1(51.45,20.65)
  Mid 2 (PWR) w0.5: v1(41,20.184) 41.757,19.427 50.227,19.427 v1(51.45,20.65)
NetQ13_3: Q13.3 R51.1 R52.1 | length 2.9
  Top Layer w0.5: Q13.3 51.725,7.5 ; R52.1 51.725,7.5 ; R51.1 51.725,7.5
NetQ14_3: Q14.3 R53.1 R54.1 | length 2.9
  Top Layer w0.5: R54.1 57.275,7.5 ; R53.1 57.275,7.5 ; Q14.3 57.275,7.5
NetQ15_4: Q15.4 U2.19 | length 9.8
  Top Layer w0.25: U2.19 39.7,18.9 40.4,18.2 v1(40.426,18.2) ; v1(47.601,17.3) 47.649,17.252 Q15.4
  Mid 2 (PWR) w0.5: v1(40.426,18.2) 41.326,17.3 v1(47.601,17.3)
NetQ16_3: Q16.3 R59.2 | length 1.3
  Top Layer w0.5: Q16.3 29.077,17.5 R59.2
NetR40_1: R40.1 U2.23 | length 33.1
  Top Layer w0.25: v1(15.701,16.9) R40.1 ; U2.23 40.077,21.377 40.177,21.477 ; 40.177,21.477 40.3,21.6 40.801,22.1 v1(40.801,22.2)
  Mid 2 (PWR) w0.25: v1(15.701,16.9) 16.801,15.8 38.5,15.8 39.201,16.501 39.201,20.6 v1(40.801,22.2)
NetR41_2: R41.2 U2.3 | length 2.4
  Top Layer w0.25: R41.2 37.95,23.977 U2.3
NetR49_2: R49.2 R50.1 | length 1.7
  Top Layer w0.5: R50.1 32.5,13.3 33.077,13.877 R49.2
NetR56_2: R56.2 R58.1 | length 1.9
  Top Layer w0.5: R56.2 R58.1
NetTP2_1: TP2.1 U2.8 | length 33.6
  Top Layer w0.25: v1(33.151,21) 33.701,21.55 34.835,21.55 35.008,21.377 U2.8
  Top Layer w0.5: TP2.1 15.003,35.997 15.003,34.75 15.104,34.649 v1(15.18,34.649)
  Mid 2 (PWR) w0.25: v1(15.18,34.649) 15.18,25.024 16.779,23.425 28.16,23.425 28.385,23.2 28.966,23.2 31.166,21 v1(33.151,21)
SRN: C45.2 C50.1 R48.2 U2.13 | length 7.8
  Top Layer w0.25: 35.7,18.2 36.127,18.627 U2.13
  Top Layer w0.5: C45.2@35.276,16.151 36.725,14.702 36.735,14.702 37.025,14.412 37.025,14.402 C50.1 R48.2 ; C45.2 35.276,17.776 35.7,18.2
SRP: C45.1 C49.1 R47.2 U2.14 | length 8.1
  Top Layer w0.25: C45.1 36.2,16.726 36.2,17.5 36.652,17.952 36.801,18.101 36.95,18.25 36.95,18.41 U2.14
  Top Layer w0.5: C45.1 36.822,16.104 36.822,15.722 37.643,14.9 38.227,14.9 C49.1 39.275,13.802 R47.2
STAT1: Q14.1@60.65,6.55 R44.2 U2.5 | length 44.2
  Top Layer w0.25: v1(36.301,23.7) 36.95,23.051 U2.5
  Top Layer w0.5: v1(59.699,6.525) Q14.1@60.625,6.525 ; Q14.1@60.85,6.55 60.875,6.575 61.8,6.575 R44.2
  Bottom Layer w0.5: v1(36.301,23.7) 37.601,25 41,25 43,23 57.1,23 59.9,20.2 59.9,11.4 60.9,10.4 60.9,7.726 v1(59.699,6.525)
STAT2: Q13.1@48.35,8.45 Q16.1@26.35,18.477 R43.2 U2.9 | length 37.6
  Top Layer w0.25: v1(34.601,20.9) 34.624,20.877 U2.9 ; R43.2 47.225,8.45 v1(49.453,8.45)
  Top Layer w0.5: v1(25.3,18.5) 25.323,18.477 Q16.1@26.35,18.477
  Bottom Layer w0.5: v1(25.3,18.5) 26.101,17.699 34.601,17.699 ; v1(34.601,20.9) 34.601,17.699 ; v1(49.453,8.45) 41.45,8.45 38.7,11.2 38.7,13.6 34.601,17.699
VIN+: F3.1 J38.1 | length 9.5
  Top Layer w1: J38.1@4.46,28 J38.1@9.54,28 ; J38.1@10,28 13.25,28 13.75,27.5 F3.1
VIN+_f: F3.2 L14.1 | length 3
  Top Layer w0.9: L14.1 21.924,27.326 F3.2
VIN_CHG: C29.1 Q9.1@28.6,29.152 Q9.2 Q9.3 Q10.1@30.54,31.702 Q10.2 Q10.3 Q13.2 Q14.2 R38.1 R42.2 R43.1 R44.1 | length 71
  Top Layer w0.5: Q10.1@30.54,31.702 Q10.2 Q10.3 30.49,30.452 Q9.3 28.6,29.152 30.153,27.599 v1(32.623,27.599) C29.1 R38.1 ; R42.2 44.373,24.727 v1(44.4,24.7) ; R43.1 47.225,6.55 47.225,6.575 48.325,6.575 Q13.2 v1(49.453,6.55) ; v1(59.65,8.45) Q14.2 ; Q14.2@60.85,8.45 60.875,8.425 61.775,8.425 R44.1@61.775,8.45 ; R44.1@61.775,8.45 R44.1 R44.1@61.775,8.45
  Mid 2 (PWR) w1: v1(32.623,27.599) 35.522,24.7 v1(44.4,24.7) 54.5,24.7 59.85,19.35 59.85,8.65 v1(59.65,8.45) 52.95,8.45 51.05,6.55 v1(49.453,6.55)
pads on no net: D10.1@53.3,5.1 FM1.1 FM2.1 FM3.1 FM4.1 FM5.1 FM6.1 M2.0 M3.1 M5.0 Q9.1@28.7,28.527 Q10.1@30.44,32.327 Q11.1@22.4,19.387 Q12.1@48.1,21.127 Q13.1@48.1,9.1 Q14.1@60.9,5.9 Q15.1@48.24,19.827 Q16.1@26.1,19.127 U2.1@39.7,22.627

## Polygon pours and split planes (outlines as drawn)
GND_BAT on Mid 2 (PWR) "GND_BAT_L03_P010" (solid, remove dead copper, pour order 10): 72,0 72,28 34,28 30.75,31.25 27.5,28 21,28 19,26 0,26 0,0
NetC27_1 on Mid 2 (PWR) "NETC27_1_L03_P009" (solid, remove dead copper, pour order 9): 0,41 72,41 72,24 23,24 21,22 0,22
GND_BAT on Mid 1 (GND) "GND_BAT_L02_P011" (solid, remove dead copper, pour order 11): 72,40 72,0 18,0 0,0 0,40
GND_BAT on Top Layer "GND_BAT_L01_P000" (solid, remove dead copper, pour order 0): 0,0 0,40 72,40 72,0 14,0
GND_BAT on Bottom Layer "GND_BAT_L04_P013" (solid, remove dead copper, pour order 13): 72,40 72,0 18,0 0,0 0,40

## Other copper
Top Layer:
  region net NetC43_1: 27.1,10.5 27.1,4.25 26.85,4 21.434,4 19.85,5.584 19.85,15 19.6,15.25 19.6,18 22.1,18 22.1,14.5 26.1,10.5
  region net NetC31_1: 53.1,31.3 53.1,23.8 51.4,22.1 47.6,22.1 47.6,24.7 50.7,27.8 50.7,31.3
  region net NetQ10_5: 37.8,28.9 37.8,32.6 34.5,32.6 33.9,32 31.4,32 31.4,29.5 33.9,29.5 34.5,28.9
  region net VIN_CHG: 30.9,32 30.9,30.2 30,30.2 29.1,29.3 29.1,29 28.3,29 28.3,30.7 29,30.7 29.2,30.9 29.2,32
  region net NetC39_1: 47,18.3 47,16.5 46,15.5 46,12.2 42.8,12.2 42.8,18.3
  region net NetC38_2: 50.2,21.5 50.2,20.7 50.8,20.1 57.6,20.1 57.6,17.7 53,17.7 52.3,17 49.2,17 49.2,19.5 48.8,19.9 48.2,19.9 48.2,21.5
  region net NetL5_2: 57.6,11.4 50,11.4 49,12.4 49,15.8 52.1,15.8 53.9,14 57.6,14
Multi-Layer:
  pour cut-out: 50.65,32.827 50.65,26.127 46.9,26.127 46.9,32.827
  pour cut-out: 59.101,13.95 52.401,13.95 52.401,17.7 59.101,17.7
  pour cut-out: 30.451,12.4 30.451,5.7 26.701,5.7 26.701,12.4

## Silkscreen, mask and mechanical layers (free items; w line width, h text height)
Top Overlay:
  circle w0.1: c67,35 r4
  circle w0.1: c5,20 r4
  circle w0.1: c67,5 r4
  text "A. Horat" at 17,38.02 h2
  text "D. Winz" at 17,36 h2
  text "-" at 1.013,35.072 h4
  text "IN" at 4,30.719 h4
  text "+" at 0.656,26.739 h4
  text "+" at 69.656,22.739 h4
  text "OUT" at 61,18.719 h4
  text "-" at 70.013,15.072 h4
  text "-" at 1.013,11.072 h4
  text "BAT" at 4,6.719 h4
  text "+" at 0.656,2.739 h4
Mechanical 1:
  the board outline again, w0.1

## Text inside footprints (layer, text, board x,y; h text height)
J6: Top Overlay "1" at 58.564,2.357 h2; Bottom Overlay "1" at 58.736,2.357 h2
J6: Top Overlay "1" at 33.964,4.357 h2; Bottom Overlay "1" at 34.736,4.357 h2
J9: Top Overlay "1" at 26.964,36.357 h2; Bottom Overlay "1" at 27.736,36.357 h2
M4: Top Assembly "000000" at 54.365,29.21 h2.5